# Altium PCB 10515.0462_全联供主板_V1.0.PcbDoc (part 3 of 5)
Units mm, origin at the board's own origin, x right, y up, seen from the top; angles counter-clockwise.
Board outline 141 x 198 mm, 2 copper layers (Top Layer, Bottom Layer); 179 components, 149 nets, 591 pads, 450 vias.
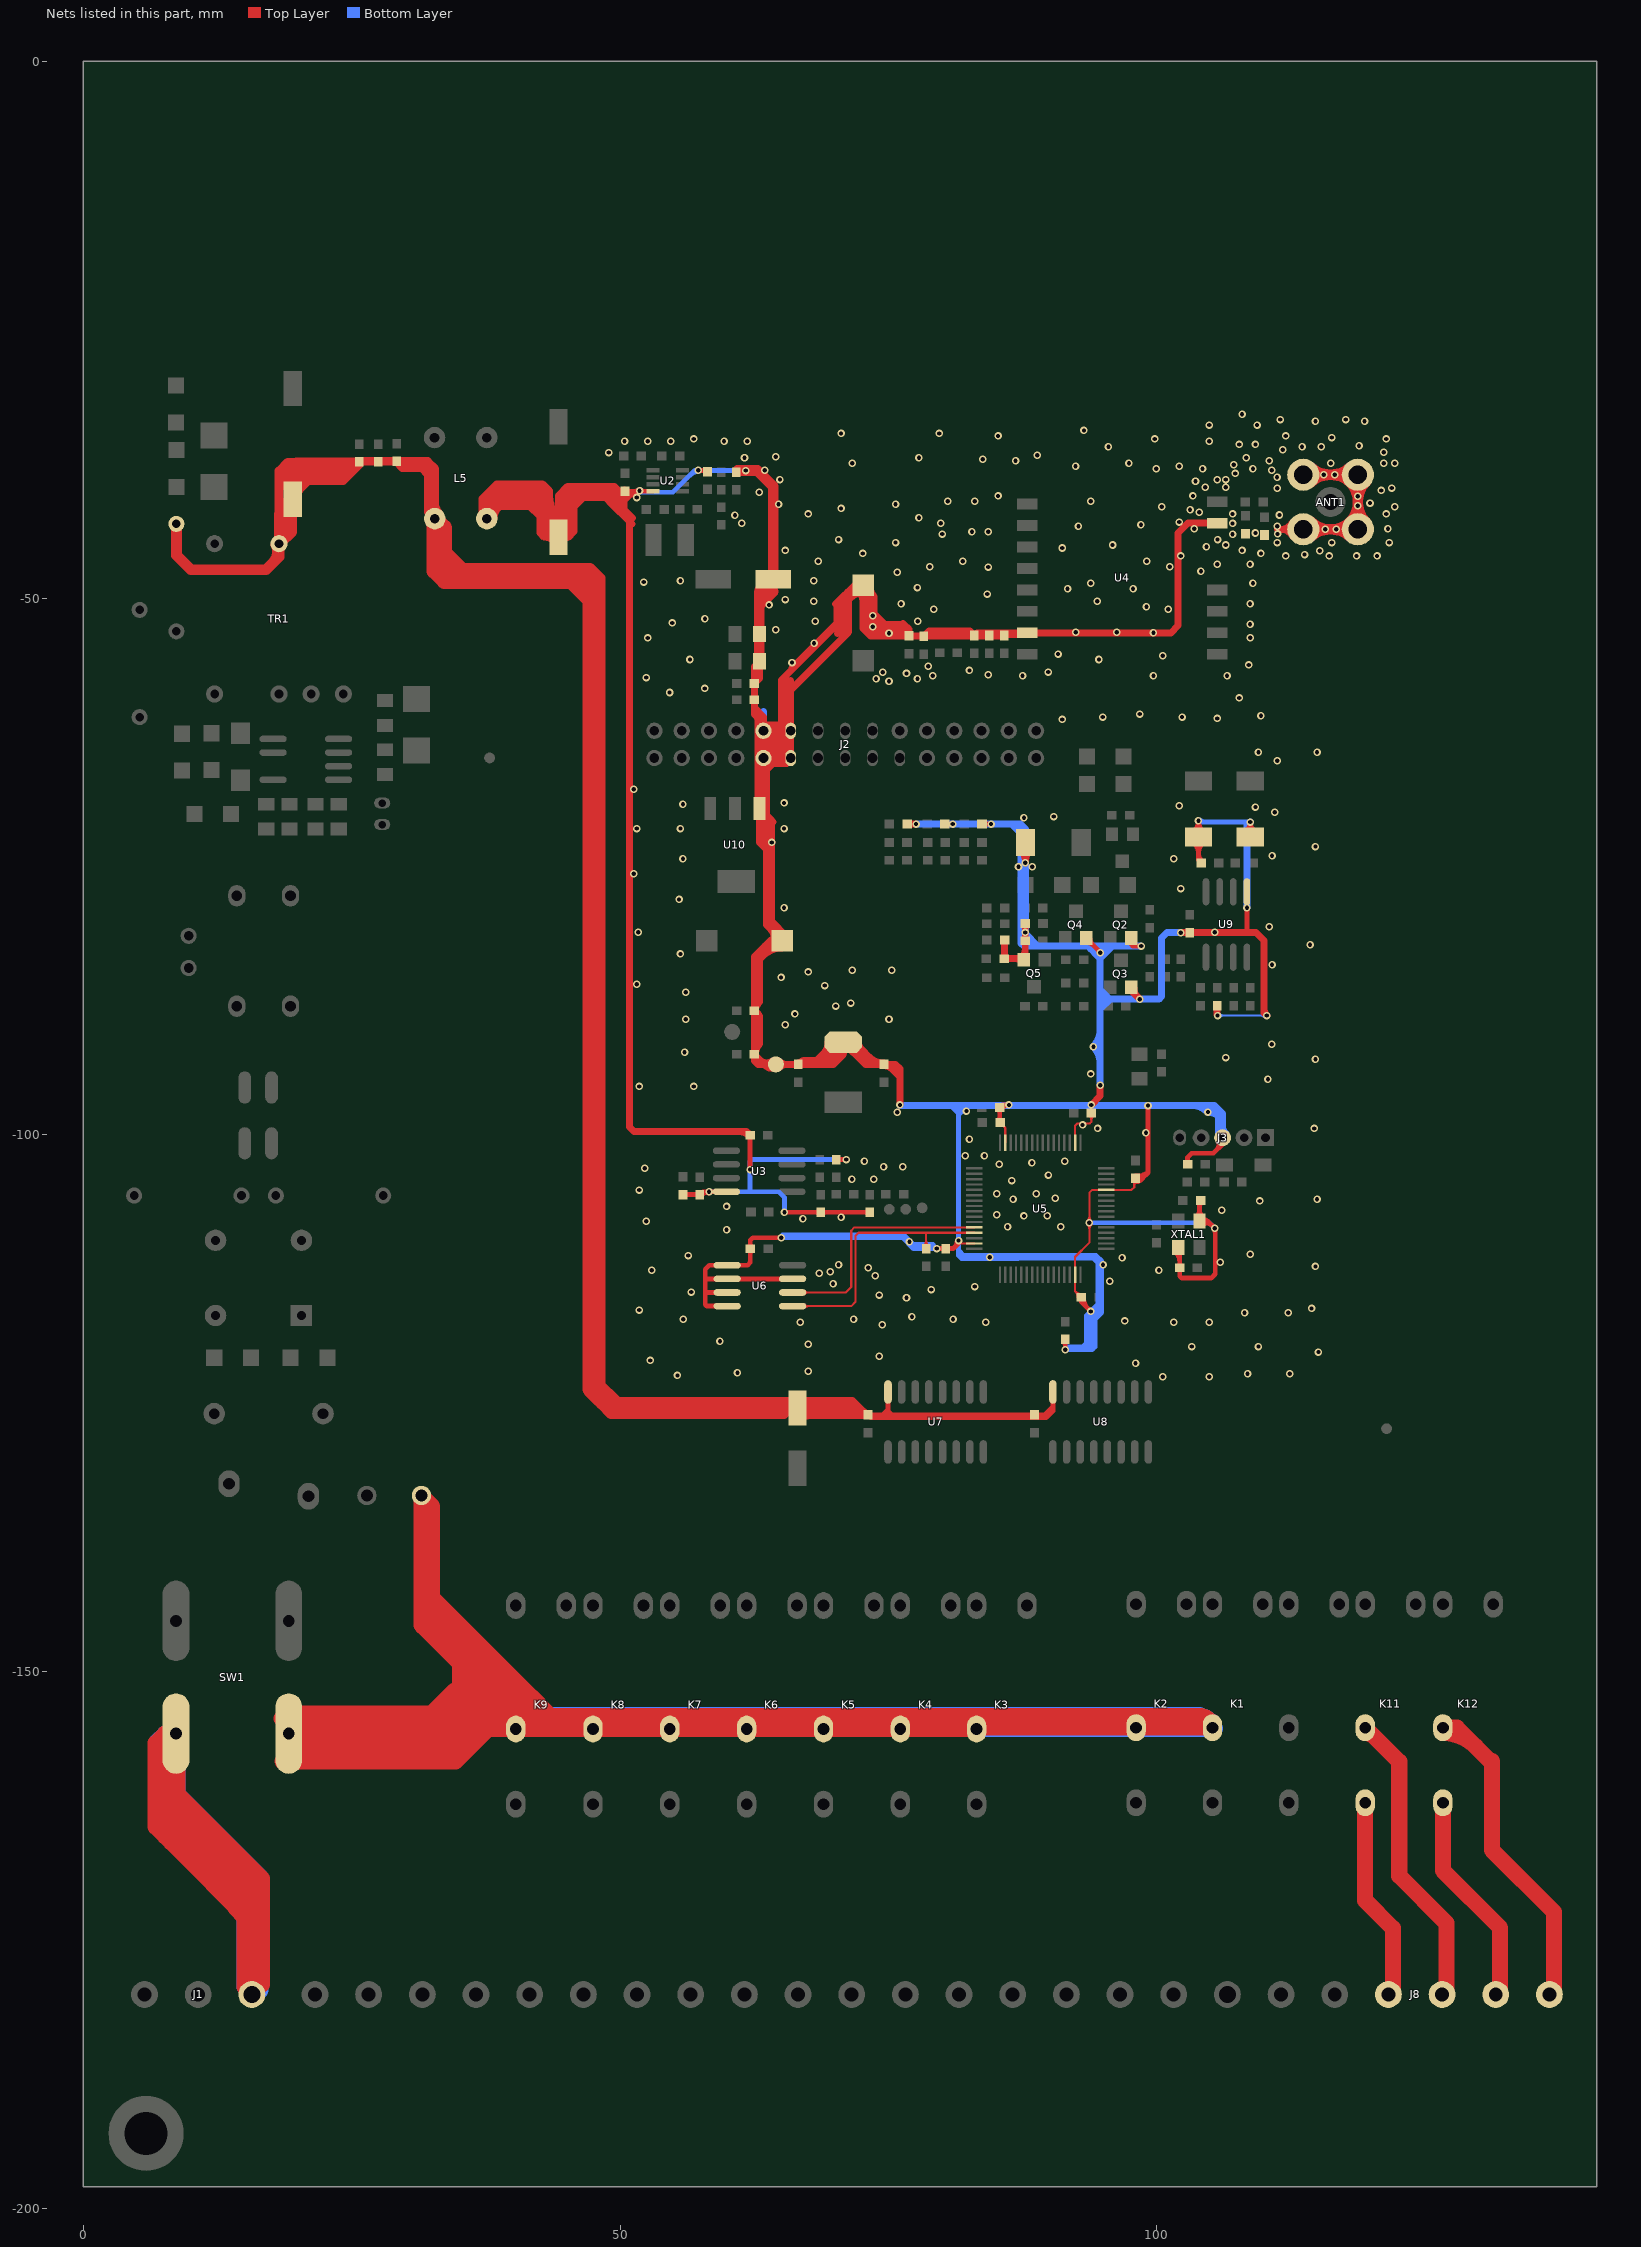
[diagram p3: the nets of this part, all layers, seen from the top]

## Via types
v1: diameter 0.7, hole 0.4, Top Layer to Bottom Layer, tented both sides, 450 vias

## Nets (pads, with @x,y where several pads share a name; then routed paths per layer and width w, separated by ;. In a path a pad name is that pad's centre, name@x,y a point inside that pad or via, vN(x,y) a via of type N, cw(c..) or ccw(c..) an arc to the next point about the centre after c; other vN are vias at no path point) (continued)
GND: ANT1.1 ANT1.2 ANT1.3 ANT1.4 C6.2 C7.1 C8.2 C9.1 C10.1 C11.1 C12.1 C13.2 C14.2 C15.2 C16.2 C17.1 C18.1 C19.1 C20.1 C21.1 C22.1 C23.1 C24.1 C25.2 C26.2 C27.1 C28.1 C29.1 C30.1 C31.1 C32.1 C34.1 C37.1 C40.1 C42.1 C43.1 C44.1 C45.1 C46.1 C48.1 C49.1 D6.1 D9.1 D10.1 EC5.2 EC6.2 EC7.2 EC9.2 EC11.2 GND1.1 J2.9 J2.10 J2.11 J2.12 J3.3 L5.3 Q2.2 Q3.2 Q4.2 Q5.2 R18.2 R20.1 R23.2 R27.1 R29.2 R52.2 R55.1 R60.1 U2.4 U3.4 U4.7 U4.13 U5.12 U5.18 U5.31 U5.47 U5.63 U6.1 U6.2 U6.3 U6.4 U6.7 U9.5 U10.1 XTAL1.2 XTAL1.4 | length 1231.4
  Top Layer w0.2: C10.1@55.864,-105.581 C10.1@55.895,-105.612 ; R23.2@57.438,-105.612 R23.2@57.744,-105.306 ; C8.2@57.898,-37.965 58.033,-38.1 C8.2@58.152,-38.219 ; C30.1@80.253,-71.054 v1@80.883,-71.054 ; C22.1@80.278,-110.603 C22.1@80.348,-110.603 ; C30.1@80.541,-71.231 cw(c80.883,-71.473) v1@80.883,-71.054 ; C30.1@80.541,-70.878 ccw(c80.883,-70.636) v1@80.883,-71.054 ; v1@80.833,-71.231 ccw(c80.406,-71.658) 80.406,-71.054 ccw(c80.406,-70.451) v1@80.833,-70.878 ; v1@81.534,-110.134 U5.47@82.993,-110.134 ; C27.1@85.403,-98.867 85.893,-99.357 U5.31@85.893,-100.734 ; C27.1@85.454,-99.174 cw(c85.476,-99.736) 85.874,-99.338 cw(c86.207,-99.004) C27.1@85.743,-98.921 ; 92.384,-114.562 cw(c91.796,-115.15) C19.1@92.628,-115.15 ; U5.18@92.393,-100.734 92.393,-99.168 92.617,-98.944 93.76,-98.944 93.912,-98.792 C20.1@93.912,-97.978 ; 92.476,-114.654 ccw(c92.934,-114.196) C19.1@92.934,-114.844 ; C19.1@92.972,-115.15 92.393,-114.571 U5.63@92.393,-113.034 92.393,-111.384 93.726,-110.051 v1(93.726,-108.204) 93.726,-105.41 94.002,-105.134 U5.12@95.293,-105.134 97.647,-105.134 97.901,-104.88 97.901,-104.05 C21.1@98.028,-104.05 ; v1@93.549,-108.381 cw(c93.122,-108.808) 93.726,-108.808 cw(c94.33,-108.808) v1@93.903,-108.381 ; v1@93.549,-108.027 ccw(c93.122,-107.6) 93.726,-107.6 ccw(c94.33,-107.6) v1@93.903,-108.027 ; C20.1@93.696,-98.195 cw(c93.173,-98.718) 93.912,-98.718 cw(c94.652,-98.718) C20.1@94.129,-98.195 ; C21.1@97.811,-104.305 cw(c97.595,-104.521) 97.901,-104.521 cw(c98.311,-104.52) C21.1@98.086,-104.177 ; 97.901,-104.89 cw(c98.554,-104.89) C21.1@98.196,-104.344 ; v1@111.038,-43.595 v1@111.252,-43.595 ; ANT1.2@113.538,-43.595 ANT1.2@113.654,-43.595
  Top Layer w0.45: 49.616,-40.894 50.165,-40.894 ; 49.911,-41.148 50.165,-40.894 ; 50.165,-40.944 cw(c51.011,-40.944) C6.2@50.553,-40.232 ; 50.455,-40.894 50.546,-40.894 ; C6.2@50.468,-40.055 U2.4@53.079,-40.055 ; C6.2@50.583,-39.914 ccw(c50.925,-39.572) 50.925,-40.055 ; C6.2@50.6,-39.97 ccw(c51.435,-39.338) v1@51.435,-40.386 ; 51.393,-40.055 ccw(c51.393,-39.582) v1@51.728,-39.917 ; v1@51.701,-39.957 cw(c51.054,-39.684) 51.054,-40.386 ; v1(51.816,-40.005) v1@51.435,-40.386 ; v1@51.904,-39.917 ccw(c52.239,-39.582) 52.239,-40.055 ; C10.1@55.864,-105.581 57.469,-105.581 57.744,-105.306 v1(58.293,-105.306) ; C10.1@55.992,-105.709 cw(c56.302,-106.019) 56.302,-105.581 cw(c56.302,-105.143) C10.1@55.992,-105.453 ; 56.983,-105.581 ccw(c56.983,-105.119) R23.2@57.31,-105.446 ; 57.017,-105.581 cw(c57.017,-105.995) R23.2@57.31,-105.702 ; v1(57.277,-38.1) C8.2@58.033,-38.1 ; R23.2@57.47,-105.58 cw(c57.978,-106.088) v1@58.246,-105.422 ; v1@57.52,-38.1 cw(c57.52,-38.813) C8.2@58.024,-38.309 ; R23.2@57.587,-105.677 cw(c58.293,-106.162) v1(58.293,-105.306) ; 57.95,-114.697 U6.3@59.985,-114.697 ; 58.069,-113.427 U6.2@59.985,-113.427 U6.7@66.081,-113.427 ; U3.4@59.915,-105.306 v1(58.293,-105.306) ; U6.4@59.985,-115.967 58.077,-115.967 57.946,-115.835 57.946,-112.533 58.323,-112.157 U6.1@59.985,-112.157 61.879,-112.157 62.137,-111.898 C23.1@62.137,-110.628 62.137,-109.821 62.357,-109.601 v1(65.024,-109.601) ; C48.1@61.983,-100.166 cw(c61.674,-100.475) 62.111,-100.475 cw(c62.549,-100.475) C48.1@62.24,-100.166 ; C23.1@62.009,-110.757 cw(c61.699,-111.066) 62.137,-111.066 cw(c62.575,-111.066) C23.1@62.265,-110.757 ; C23.1@62.009,-110.5 ccw(c61.699,-110.19) 62.137,-110.19 ccw(c62.575,-110.19) C23.1@62.265,-110.5 ; v1(62.111,-103.243) C48.1@62.111,-100.164 ; v1(65.315,-107.225) C9.1@68.691,-107.225 C49.1@73.263,-107.225 ; C9.1@68.563,-107.353 ccw(c68.253,-107.663) 68.253,-107.225 ccw(c68.253,-106.787) C9.1@68.563,-107.097 ; C9.1@68.819,-107.353 cw(c69.129,-107.663) 69.129,-107.225 cw(c69.129,-106.787) C9.1@68.819,-107.097 ; R20.1@70.138,-102.31 v1(71.068,-102.31) ; R20.1@70.266,-102.438 cw(c70.576,-102.748) 70.576,-102.31 cw(c70.576,-101.872) R20.1@70.266,-102.182 ; EC7.2@72.096,-49.372 cw(c70.773,-50.695) 72.644,-50.695 cw(c74.515,-50.695) EC7.2@73.192,-49.372 ; EC7.2@72.644,-48.824 72.644,-52.832 73.088,-53.276 73.381,-53.569 C12.1@78.282,-53.569 78.358,-53.492 87.675,-53.492 U4.7@87.924,-53.243 ; C49.1@73.135,-107.353 ccw(c72.825,-107.663) 72.825,-107.225 ccw(c72.825,-106.787) C49.1@73.135,-107.097 ; 76.457,-53.569 ccw(c76.457,-53.106) C16.2@76.784,-53.433 ; 76.491,-53.569 cw(c76.491,-53.982) C16.2@76.784,-53.69 ; C16.2@77.04,-53.69 cw(c77.333,-53.982) 77.333,-53.569 ; C16.2@77.04,-53.433 ccw(c77.367,-53.106) 77.367,-53.569 ; C12.1@78.154,-53.697 ccw(c77.844,-54.007) 77.844,-53.569 ccw(c77.844,-53.131) C12.1@78.154,-53.44 ; C12.1@78.41,-53.659 cw(c78.812,-54.06) 78.812,-53.492 ; v1(79.516,-110.603) C22.1@80.278,-110.603 ; C22.1@80.22,-110.731 ccw(c79.91,-111.041) 79.91,-110.603 ccw(c79.91,-110.165) C22.1@80.22,-110.475 ; C22.1@80.348,-110.603 81.04,-110.603 v1@81.509,-110.134 ; C22.1@80.476,-110.731 cw(c80.786,-111.041) 80.786,-110.603 cw(c80.786,-110.165) C22.1@80.476,-110.475 ; 81.167,-110.476 ccw(c80.581,-109.89) v1@81.409,-109.86 ; C15.2@82.88,-53.621 ccw(c82.57,-53.93) 82.57,-53.492 ccw(c82.57,-53.054) C15.2@82.88,-53.364 ; C15.2@83.136,-53.621 cw(c83.446,-53.93) 83.446,-53.492 cw(c83.446,-53.054) C15.2@83.136,-53.364 ; C32.1@83.722,-71.054 v1(84.566,-71.054) ; C32.1@83.889,-71.183 cw(c84.198,-71.492) 84.198,-71.054 cw(c84.198,-70.616) C32.1@83.889,-70.926 ; C14.2@84.277,-53.621 ccw(c83.967,-53.93) 83.967,-53.492 ccw(c83.967,-53.054) C14.2@84.277,-53.364 ; C14.2@84.533,-53.621 cw(c84.843,-53.93) 84.843,-53.492 cw(c84.843,-53.054) C14.2@84.533,-53.364 ; C27.1@85.237,-98.739 ccw(c84.917,-98.419) 85.369,-98.419 ; C45.1@85.241,-97.587 cw(c84.931,-97.897) 85.369,-97.897 cw(c85.807,-97.897) C45.1@85.498,-97.587 ; C27.1@85.369,-98.834 C45.1@85.369,-97.459 85.606,-97.223 v1(86.233,-97.223) ccw(c86.233,-98.066) C45.1@85.554,-97.566 ; 85.369,-98.44 ccw(c85.793,-98.44) C27.1@85.493,-98.739 ; C13.2@85.674,-53.621 ccw(c85.364,-53.93) 85.364,-53.492 ccw(c85.364,-53.054) C13.2@85.674,-53.364 ; C13.2@85.93,-53.621 cw(c86.24,-53.93) 86.24,-53.492 cw(c86.24,-53.054) C13.2@85.93,-53.364 ; C13.2@86.208,-53.492 ccw(c86.208,-51.977) U4.7@87.28,-53.049 ; Q5.2@87.514,-83.704 Q5.2@87.619,-83.704 Q5.2@87.752,-83.572 ; R29.2@91.346,-119.24 cw(c91.036,-119.55) 91.474,-119.55 cw(c91.912,-119.55) R29.2@91.602,-119.24 ; v1(91.474,-120.026) R29.2@91.474,-119.074 ; C19.1@92.846,-115.281 cw(c92.558,-115.578) 92.972,-115.578 ; 92.972,-115.58 cw(c93.322,-115.58) C19.1@93.117,-115.297 ; C19.1@92.972,-115.15 92.972,-115.578 ; C19.1@93.099,-115.281 ccw(c93.387,-115.578) 92.972,-115.578 ; C19.1@93.192,-115.155 ccw(c94.654,-115.192) v1@93.62,-116.226 ; Q4.2@93.424,-82.082 cw(c93.424,-83.072) 94.124,-82.372 ; Q4.2@93.424,-81.672 v1@94.615,-82.864 ; Q4.2@93.77,-81.736 ccw(c94.454,-81.736) Q4.2@93.971,-82.219 ; v1(93.853,-116.459) 92.972,-115.578 ; 94.467,-82.715 cw(c94.138,-83.044) v1@94.603,-83.044 ; Q2.2@97.615,-81.672 97.615,-82.248 97.79,-82.423 v1(98.552,-82.423) ; XTAL1.2@101.743,-110.888 cw(c100.778,-111.853) 102.143,-111.853 ; XTAL1.2@101.991,-110.515 102.143,-110.668 C25.2@102.143,-112.383 102.143,-113.17 102.329,-113.356 105.063,-113.356 105.444,-112.975 105.444,-108.746 v1(105.41,-108.712) 104.713,-108.015 ; C25.2@102.015,-112.511 cw(c101.705,-112.821) 102.143,-112.821 cw(c102.581,-112.821) C25.2@102.272,-112.511 ; C25.2@102.015,-112.255 ccw(c101.705,-111.945) 102.143,-111.945 ccw(c102.581,-111.945) C25.2@102.272,-112.255 ; C24.1@102.743,-102.633 ccw(c102.434,-102.323) 102.871,-102.323 ccw(c103.309,-102.323) C24.1@103,-102.633 ; C24.1@102.871,-102.761 102.871,-102.107 103.251,-101.727 105.283,-101.727 106.136,-100.874 J3.3@106.136,-100.398 ; D9.1@103.416,-72.726 cw(c102.283,-73.859) 103.886,-73.859 cw(c105.489,-73.859) D9.1@104.356,-72.726 ; D9.1@103.436,-71.768 ccw(c102.485,-70.739) v1(103.886,-70.739) ccw(c105.287,-70.739) D9.1@104.336,-71.768 ; XTAL1.4@103.743,-107.643 ccw(c103.146,-107.045) 103.991,-107.045 ccw(c104.836,-107.045) XTAL1.4@104.238,-107.643 ; R55.1@103.886,-74.424 D9.1@103.886,-72.256 v1(103.886,-70.739) ; 103.886,-73.716 ccw(c105.067,-73.716) R55.1@104.232,-74.551 ; XTAL1.4@103.926,-108.064 cw(c104.343,-108.548) 104.794,-108.096 ; XTAL1.4@103.981,-108.041 cw(c104.125,-109.499) 105.161,-108.463 ; 103.991,-106.715 cw(c104.642,-106.715) C26.2@104.182,-106.255 ; C26.2@104.091,-106.126 103.991,-106.227 XTAL1.4@103.991,-108.015 104.713,-108.015 ; XTAL1.4@104.22,-108.405 cw(c104.66,-108.916) 105.137,-108.439 ; XTAL1.4@104.266,-108.232 cw(c104.713,-108.585) 104.713,-108.015 ; XTAL1.4@104.266,-107.798 ccw(c104.713,-107.445) 104.713,-108.015 ; v1@105.322,-108.8 cw(c105.026,-109.096) 105.444,-109.096 ; 105.584,-101.426 ccw(c105.112,-100.954) J3.3@105.668,-100.583 ; D10.1@108.295,-71.739 ccw(c107.589,-70.866) v1(108.712,-70.866) ccw(c109.835,-70.866) D10.1@109.129,-71.739 ; 108.4,-81.17 v1(108.4,-78.867) ; D10.1@108.712,-72.256 v1(108.712,-70.866) ; ANT1.2@112.597,-44.309 ccw(c111.252,-45.219) v1@111.252,-43.595 ; ANT1.2@112.597,-42.881 cw(c111.252,-41.971) v1@111.252,-43.595 ; ANT1.2@112.97,-44.057 ccw(c112.1,-44.646) 112.1,-43.595 ccw(c112.1,-42.544) ANT1.2@112.97,-43.133 ; ANT1.2@113.538,-43.595 v1@111.252,-43.595 ; 50.165,-40.894 50.165,-40.332 50.219,-40.386 51.054,-40.386 ; 50.165,-40.894 50.546,-40.894 ; 50.546,-40.894 51.054,-40.386 ; 51.054,-40.386 cw(c51.054,-39.956) 50.633,-40.043 ccw(c51.054,-39.956) 51.054,-40.386 ; 51.054,-40.386 v1@51.435,-40.386
  Top Layer w0.5: C21.1@97.966,-104.35 ccw(c98.077,-103.743) 98.513,-104.179 ; C21.1@98.028,-104.05 98.642,-104.05 99.187,-103.505 v1(99.187,-97.282) ; C21.1@98.056,-103.858 ccw(c98.285,-102.603) 99.187,-103.505
  Top Layer w0.65: L5.3@37.125,-42.114 ccw(c36.078,-41.021) 37.592,-41.021 ccw(c39.106,-41.021) L5.3@38.059,-42.114 ; L5.3@37.617,-42.599 cw(c39.135,-42.405) 38.053,-41.322 ; L5.3@37.618,-41.928 ccw(c37.68,-40.347) 38.798,-41.466 ; L5.3@37.902,-42.002 cw(c38.562,-40.726) 37.125,-40.726 ; L5.3@38.262,-42.516 cw(c40.795,-42.192) 38.989,-40.386 ; L5.3@38.267,-42.602 cw(c39.728,-42.602) 38.695,-41.569 ; 41.91,-40.894 42.926,-41.91 42.926,-43.561 43.701,-44.336 EC5.2@44.276,-44.336 ; 43.053,-41.656 42.291,-40.894 39.37,-40.894 38.798,-41.465 ; EC5.2@43.434,-43.374 ccw(c44.438,-43.374) EC5.2@43.728,-44.084 ; 43.434,-41.805 ccw(c46.007,-41.805) EC5.2@44.188,-43.624 ; 43.434,-41.402 42.418,-40.386 38.989,-40.386 37.592,-41.783 L5.3@37.592,-42.602 ; 43.434,-40.64 42.672,-39.878 38.735,-39.878 37.592,-41.021 L5.3@37.592,-42.602 ; 43.434,-40.236 ccw(c47.576,-40.236) 44.647,-43.165 cw(c45.543,-42.269) 44.276,-42.269 cw(c43.009,-42.269) EC5.2@43.905,-43.165 ; EC5.2@43.905,-44.707 ccw(c43.009,-45.603) 43.009,-44.336 ccw(c43.009,-43.069) EC5.2@43.905,-43.965 ; EC5.2@43.942,-44.336 42.939,-44.336 42.545,-43.942 42.545,-42.418 41.592,-41.465 38.798,-41.465 ; EC5.2@43.946,-43.128 ccw(c42.449,-41.275) 44.831,-41.275 ; EC5.2@44.086,-43.047 ccw(c43.448,-41.402) 45.212,-41.402 ; EC5.2@44.199,-43.635 ccw(c44.665,-43.038) 45.2,-43.573 ; EC5.2@44.321,-43.653 ccw(c43.816,-42.351) 45.212,-42.351 ; EC5.2@44.355,-43.633 ccw(c43.549,-42.636) 44.831,-42.636 ; EC5.2@44.556,-44.259 ccw(c44.185,-43.301) 45.212,-43.301 ; EC5.2@44.599,-43.122 ccw(c45.12,-42.453) 45.72,-43.053 ; EC5.2@44.727,-44.604 cw(c45.199,-44.885) 45.199,-44.336 ; EC5.2@44.727,-44.068 ccw(c45.199,-43.787) 45.199,-44.336 ; 45.974,-40.64 45.212,-41.402 45.212,-43.688 44.564,-44.336 EC5.2@44.276,-44.336 ; 46.609,-40.64 45.72,-41.529 45.72,-43.053 ; 48.906,-40.64 ccw(c48.906,-38.531) C6.2@50.397,-40.022 ; 49.53,-41.529 49.276,-41.275 ; 49.53,-40.98 C6.2@50.455,-40.055 ; 49.777,-39.922 ccw(c50.1,-39.599) C6.2@50.401,-39.942 ; 49.911,-40.055 49.48,-39.624 45.085,-39.624 44.276,-40.433 44.276,-41.656 ; 50.374,-41.783 50.374,-41.144 49.87,-40.64 ; C6.2@50.455,-40.042 C6.2@50.455,-40.055 ; C6.2@50.468,-40.055 C6.2@50.455,-40.055 ; 51.105,-43.104 50.863,-42.862 ; 51.146,-42.555 49.657,-41.066 49.657,-40.64 ; 61.05,-99.695 cw(c61.05,-101.061) C48.1@62.016,-100.095 ; C48.1@61.992,-100.039 ccw(c61.642,-100.045) 61.642,-99.695 ; C48.1@62.111,-100.164 61.642,-99.695 ; C46.1@62.49,-88.5 cw(c61.278,-89.712) 62.992,-89.712 ; C7.1@62.49,-57.904 ccw(c61.302,-56.717) 62.982,-56.717 ; 62.509,-60.223 63.362,-61.076 J2.10@63.362,-62.368 ; C7.1@62.509,-57.857 cw(c64.787,-57.857) 63.176,-56.246 ccw(c63.646,-56.716) 62.982,-56.716 ; C46.1@62.53,-88.521 cw(c62.401,-89.098) 62.992,-89.098 ; C31.1@62.629,-92.502 cw(c63.872,-92.447) 62.992,-91.567 ; C46.1@62.629,-88.442 cw(c63.713,-88.442) 62.946,-87.676 ; C42.1@62.788,-56.246 cw(c62.318,-56.716) 62.982,-56.716 ; U10.1@62.838,-70.278 cw(c60.932,-72.183) 63.627,-72.183 ; U10.1@62.838,-68.909 ccw(c60.932,-67.004) 63.627,-67.004 ; U10.1@62.865,-69.083 62.865,-64.135 ; 62.865,-68.207 ccw(c63.858,-68.207) U10.1@63.156,-68.909 ; 62.865,-67.163 cw(c65.616,-67.163) J2.9@63.671,-65.217 ; 62.865,-65.594 cw(c64.047,-65.594) J2.9@63.211,-64.758 ; 62.865,-64.223 ccw(c64.047,-64.223) J2.9@63.211,-65.059 ; 62.865,-64.203 cw(c64.698,-64.203) J2.10@63.619,-62.722 ; J2.10@62.865,-62.654 ccw(c65.616,-62.654) J2.9@63.671,-64.599 ; U10.1@62.997,-70.344 cw(c62.997,-72.137) 64.265,-70.869 ; 62.997,-66.845 cw(c65.299,-66.845) J2.9@63.671,-65.217 ; J2.9@62.997,-65.274 U10.1@62.997,-69.594 62.997,-72.776 63.627,-73.406 ; 63.042,-93.039 ccw(c63.689,-92.392) GND1.1@64.254,-93.112 ; J2.9@63.053,-65.217 cw(c61.667,-66.603) 63.627,-66.603 ; J2.9@63.053,-64.599 ccw(c62.307,-63.853) 63.362,-63.853 ccw(c64.417,-63.853) J2.9@63.671,-64.599 ; J2.10@63.053,-62.677 cw(c62.307,-63.423) 63.362,-63.423 cw(c64.417,-63.423) 63.671,-62.677 cw(c64.417,-63.423) 64.417,-62.368 cw(c64.417,-61.313) J2.10@63.671,-62.059 ; J2.10@63.053,-62.059 ccw(c62.307,-61.313) 63.362,-61.313 ccw(c64.417,-61.313) J2.10@63.671,-62.059 ; U10.1@63.081,-70.327 cw(c63.361,-71.015) 63.886,-70.49 ; J2.10@63.183,-62.484 ccw(c64.582,-61.581) 64.582,-63.246 ; J2.9@63.191,-64.781 cw(c64.479,-65.742) 64.479,-64.135 ; 63.197,-82.726 cw(c65.095,-84.625) EC11.2@65.095,-81.94 ; J2.9@63.207,-65.055 ccw(c64.021,-64.284) 64.021,-65.405 ; U10.1@63.297,-69.818 cw(c62.501,-70.614) 63.627,-70.614 ; U10.1@63.297,-69.369 ccw(c62.501,-68.573) 63.627,-68.573 ; 63.388,-83.297 cw(c65.095,-85.004) EC11.2@65.095,-82.59 ; 63.45,-93.447 C31.1@62.509,-92.506 ; J2.10@63.453,-61.941 cw(c63.608,-61.214) 62.865,-61.214 ; 63.465,-82.458 cw(c64.076,-83.07) EC11.2@64.649,-82.421 ; J2.10@63.5,-61.849 65.024,-61.849 ; 63.561,-93.558 ccw(c64.145,-92.974) GND1.1@64.655,-93.624 ; 63.627,-73.584 cw(c64.489,-73.584) v1@64.145,-72.794 ; 63.627,-71.484 ccw(c65.422,-71.484) v1@64.153,-72.753 ; 63.627,-70.231 64.135,-70.739 64.135,-80.137 65.095,-81.097 EC11.2@65.095,-81.915 ; 63.627,-66.04 64.262,-65.405 J2.11@65.532,-65.405 ; J2.9@63.627,-65.174 63.627,-73.406 ; J2.9@63.679,-64.608 ccw(c65.532,-62.853) J2.11@65.532,-65.405 ; J2.9@63.712,-65.17 cw(c65.775,-66.708) 65.775,-64.135 62.865,-64.135 ; J2.10@63.729,-62.131 ccw(c65.775,-60.811) 65.775,-63.246 63.362,-63.246 ; J2.10@63.74,-62.588 cw(c65.024,-63.334) 65.024,-61.849 ; 63.954,-81.969 cw(c64.535,-82.55) EC11.2@65.078,-81.934 ; EC11.2@64.173,-82.512 ccw(c63.575,-81.915) 64.42,-81.915 ccw(c62.79,-81.915) 63.943,-80.763 ccw(c65.095,-79.61) EC11.2@65.095,-81.24 ; GND1.1@64.215,-93.747 ccw(c63.49,-94.473) 63.49,-93.447 ccw(c63.49,-92.421) GND1.1@64.215,-93.146 ; EC11.2@64.49,-82.214 ccw(c64.008,-82.453) 64.008,-81.915 ; EC11.2@64.49,-81.616 cw(c64.008,-81.377) 64.008,-81.915 ; 64.648,-80.65 cw(c63.594,-81.704) EC11.2@65.07,-81.912 ; EC11.2@64.77,-81.915 62.992,-83.693 62.992,-87.63 62.509,-88.113 C46.1@62.509,-88.442 62.992,-88.925 62.992,-91.567 62.509,-92.05 C31.1@62.509,-92.506 ; GND1.1@64.817,-93.747 cw(c65.542,-94.473) 65.542,-93.447 cw(c65.542,-92.421) GND1.1@64.817,-93.146 ; 64.913,-65.405 ccw(c64.913,-64.182) J2.11@65.778,-65.047 ; 65.024,-62.241 65.024,-61.849 ; 65.165,-64.516 cw(c65.165,-65.383) J2.11@65.778,-64.77 ; 65.22,-62.738 ccw(c65.22,-61.948) J2.12@65.778,-62.507 ; 65.309,-62.738 cw(c65.309,-60.421) J2.10@63.671,-62.059 ; 65.364,-64.516 ccw(c65.364,-66.91) J2.9@63.671,-65.217 ; J2.12@65.405,-62.241 65.405,-57.277 ; 65.405,-60.484 ccw(c67.524,-60.484) J2.12@66.026,-61.983 ; J2.11@65.902,-64.516 63.754,-64.516 J2.9@63.362,-64.908 ; 65.902,-63.754 63.362,-63.754 ; J2.12@65.902,-62.738 63.731,-62.738 J2.10@63.362,-62.368 ; 65.902,-58.558 71.275,-53.185 71.275,-52.296 ; 65.902,-57.669 J2.12@65.902,-62.368 ; 66.02,-56.515 70.857,-51.678 ; C29.1@66.599,-93.327 ccw(c66.613,-92.521) 67.183,-93.091 ; C29.1@66.656,-93.466 cw(c67.561,-94.372) 67.561,-93.091 ; C29.1@66.674,-93.438 cw(c67.183,-93.638) 67.183,-93.091 ; 68.878,-92.539 cw(c70.045,-93.705) EC9.2@70.045,-92.056 ; 68.898,-92.519 ccw(c67.76,-91.381) EC9.2@69.37,-91.381 ; 69.459,-92.716 ccw(c68.97,-92.226) EC9.2@69.514,-91.798 ; EC9.2@70.036,-91.381 68.326,-93.091 68.199,-93.091 ; 70.095,-50.555 cw(c72.644,-53.103) 72.644,-49.499 ccw(c72.644,-51.129) 71.492,-49.976 ccw(c70.339,-48.824) EC7.2@71.969,-48.824 ; 70.249,-53.322 71.275,-52.296 ; EC9.2@70.467,-92.22 69.596,-93.091 68.58,-93.091 ; EC9.2@70.467,-91.971 cw(c70.159,-92.527) 70.795,-92.527 ; 70.739,-52.832 70.739,-50.729 71.275,-50.193 ; EC9.2@71.122,-91.971 ccw(c71.431,-92.527) 70.795,-92.527 ; 71.205,-49.445 cw(c72.644,-50.884) EC7.2@72.644,-48.849 ; EC9.2@71.568,-91.389 ccw(c72.423,-91.715) EC9.2@71.776,-92.362 ; EC9.2@72.176,-91.621 ccw(c73.451,-92.107) 72.486,-93.072 ; 72.304,-92.37 ccw(c71.545,-93.129) 71.545,-92.056 cw(c71.545,-94.356) 73.171,-92.729 ; EC7.2@72.329,-49.421 cw(c71.169,-51.626) v1@73.66,-51.626 ; 72.501,-92.059 cw(c73.179,-91.381) 72.22,-91.381 ccw(c74.405,-91.381) 72.86,-92.926 ; EC7.2@72.626,-48.842 cw(c71.664,-49.804) EC7.2@73.025,-49.804 ; EC7.2@72.632,-48.846 cw(c71.736,-50.549) 73.66,-50.549 ; EC7.2@72.707,-49.496 cw(c72.817,-50.683) 73.66,-49.84 ; 73.025,-51.373 ccw(c70.095,-51.373) 72.167,-49.301 cw(c71.014,-50.454) 72.644,-50.454 cw(c74.274,-50.454) EC7.2@73.121,-49.301 ; EC7.2@73.025,-49.205 73.025,-52.324 73.533,-52.832 76.221,-52.832 C16.2@76.912,-53.523 76.912,-52.909 76.454,-52.451 73.914,-52.451 73.66,-52.197 v1@73.66,-51.435 ; 73.088,-53.276 C16.2@76.665,-53.276 ; 73.182,-92.74 ccw(c74.599,-91.324) C40.1@74.599,-93.327 ; 73.279,-93.447 73.279,-93.345 71.315,-91.381 EC9.2@70.795,-91.381 ; EC7.2@73.316,-48.887 ccw(c74.503,-48.997) 73.66,-49.84 ; 73.889,-93.447 71.823,-91.381 EC9.2@70.795,-91.381 ; C40.1@74.599,-93.566 cw(c74.599,-94.592) 75.325,-93.867 ; 74.676,-52.451 v1@73.66,-51.435 ; v1(76.073,-97.223) 76.073,-93.853 75.667,-93.447 C40.1@74.599,-93.447 ; 76.073,-94.615 74.905,-93.447 C40.1@74.599,-93.447 ; 76.212,-53.276 cw(c76.212,-54.186) C16.2@76.854,-53.543 ; 76.366,-52.363 cw(c75.243,-53.485) C16.2@76.831,-53.485 ; C28.1@76.737,-71.054 v1(77.581,-71.054) ; C12.1@78.282,-53.569 78.765,-53.086 82.602,-53.086 C15.2@83.008,-53.492 ; C12.1@78.34,-53.588 cw(c79.552,-54.8) 79.552,-53.086 ; 81.922,-53.086 cw(c81.922,-54.54) C15.2@82.95,-53.512 ; C15.2@83.066,-53.512 cw(c83.715,-54.161) 83.715,-53.243 ; C15.2@83.257,-53.243 86.487,-53.243 ; 83.698,-53.243 cw(c83.698,-54.161) C14.2@84.347,-53.512 ; C14.2@84.463,-53.512 cw(c85.112,-54.161) 85.112,-53.243 ; 85.095,-53.243 cw(c85.095,-54.161) C13.2@85.744,-53.512 ; C11.1@85.775,-83.6 Q5.2@87.514,-83.6 ; C11.1@85.822,-83.552 R27.1@85.822,-81.856 ; C13.2@85.86,-53.512 cw(c86.509,-54.161) 86.509,-53.243 ; 86.924,-83.6 cw(c86.924,-84.335) Q5.2@87.445,-83.815 ; D6.1@87.365,-73.551 cw(c86.402,-74.514) 87.764,-74.514 cw(c89.126,-74.514) D6.1@88.163,-73.551 ; Q5.2@87.445,-83.467 ccw(c86.703,-82.725) 87.752,-82.725 ; Q5.2@87.752,-83.572 v1(87.752,-81.153) R52.2@87.752,-80.315 ; v1(87.764,-74.669) D6.1@87.764,-72.771 ; v1(93.912,-97.223) 94.728,-96.407 v1(94.728,-95.377) ; Q3.2@97.615,-86.244 97.615,-86.566 v1(98.425,-87.376) ; Q3.2@97.861,-86.308 ccw(c99.079,-86.308) v1@98.218,-87.169 ; v1(102.235,-81.17) C37.1@103.074,-81.17 108.4,-81.17 109.237,-81.17 109.982,-81.915 109.982,-88.646 v1(110.236,-88.9) ; U4.13@105.624,-43.023 102.9,-43.023 101.981,-43.942 101.981,-52.578 101.316,-53.243 U4.7@87.924,-53.243 86.487,-53.243 ; v1@105.627,-88.863 R60.1@105.627,-87.977 ; 109.982,-88.226 ccw(c110.91,-88.226) v1@110.254,-88.882 ; v1@111.252,-43.595 ANT1.2@113.654,-43.595 ; 37.125,-40.726 38.481,-39.37 42.799,-39.37 43.434,-40.005 43.434,-43.494 EC5.2@44.276,-44.336 ; 37.125,-40.726 37.125,-42.135 L5.3@37.592,-42.602 ; L5.3@37.592,-42.602 37.662,-42.602 38.798,-41.465 ; EC5.2@44.276,-44.336 44.276,-41.656 ; EC5.2@44.276,-44.336 44.276,-43.354 44.831,-42.799 44.831,-41.275 45.466,-40.64 48.641,-40.64 ; EC5.2@44.276,-44.336 44.437,-44.336 45.72,-43.053 ; EC5.2@44.276,-44.336 45.199,-44.336 ; 44.276,-41.656 44.276,-41.068 45.289,-40.055 C6.2@50.455,-40.055 ; 45.199,-44.336 45.72,-43.815 45.72,-43.053 ; 48.641,-40.64 49.657,-40.64 ; 48.641,-40.64 49.276,-41.275 ; 49.276,-41.275 50.863,-42.862 ; 49.657,-40.64 49.87,-40.64 ; 49.87,-40.64 C6.2@50.455,-40.055 ; 50.863,-42.862 50.863,-99.27 51.288,-99.695 61.642,-99.695 ; C31.1@62.509,-92.506 62.509,-93.116 62.84,-93.447 C29.1@66.598,-93.447 ; C31.1@62.509,-92.506 62.509,-83.414 64.008,-81.915 ; C7.1@62.509,-57.962 62.509,-56.363 C42.1@62.982,-55.89 62.982,-57.489 C7.1@62.509,-57.962 ; C7.1@62.509,-57.962 62.509,-60.858 62.865,-61.214 ; 62.865,-64.135 62.865,-61.214 ; 62.865,-61.214 63.362,-61.711 J2.10@63.362,-62.368 ; J2.10@63.099,-62.717 cw(c62.699,-63.246) 63.362,-63.246 ; J2.10@63.099,-62.717 cw(c62.699,-63.246) 63.362,-63.246 ; J2.10@63.099,-62.717 cw(c62.699,-63.246) 63.362,-63.246 ; J2.9@63.362,-64.908 63.362,-63.754 ; J2.9@63.362,-64.908 J2.11@65.902,-64.908 ; 63.362,-63.754 63.362,-63.246 ; 63.362,-63.246 cw(c64.024,-63.246) J2.10@63.625,-62.717 ; 63.362,-63.246 cw(c64.024,-63.246) J2.10@63.625,-62.717 ; 63.362,-63.246 cw(c64.024,-63.246) J2.10@63.625,-62.717 ; 63.362,-63.246 J2.10@63.362,-62.368 ; J2.10@63.362,-62.368 J2.12@65.902,-62.368 ; 63.627,-73.406 63.627,-77.343 63.627,-80.447 EC11.2@65.095,-81.915 ; J2.9@63.671,-65.217 cw(c64.417,-65.963) 64.417,-64.908 cw(c64.417,-63.853) J2.9@63.671,-64.599 ; 64.008,-81.915 EC11.2@65.095,-81.915 ; 65.024,-61.849 65.024,-57.658 65.405,-57.277 ; 65.405,-57.277 70.231,-52.451 70.231,-50.419 71.826,-48.824 EC7.2@72.644,-48.824 ; J2.11@65.532,-65.405 65.902,-65.035 J2.11@65.902,-64.908 ; J2.11@65.902,-64.908 J2.12@65.902,-62.368 ; C29.1@66.598,-93.447 66.827,-93.447 67.183,-93.091 ; C29.1@66.598,-93.447 69.875,-93.447 70.795,-92.527 ; 67.183,-93.091 68.199,-93.091 ; 68.199,-93.091 68.58,-93.091 ; 68.58,-93.091 69.084,-93.091 ; 68.58,-93.091 69.084,-93.091 ; 69.084,-93.091 EC9.2@70.795,-91.381 ; 70.795,-92.527 EC9.2@70.795,-91.381 ; EC9.2@70.795,-91.381 72.861,-93.447 C40.1@74.599,-93.447 ; 71.275,-52.296 71.275,-50.193 ; 71.275,-50.193 EC7.2@72.644,-48.824 ; EC7.2@72.644,-48.824 73.66,-49.84 ; EC7.2@72.644,-48.824 72.644,-52.832 73.335,-53.523 85.771,-53.523 86.051,-53.243 86.487,-53.243 ; v1@73.66,-51.435 73.66,-49.84 ; C13.2@85.861,-53.511 cw(c86.487,-54.109) 86.487,-53.243 ; C13.2@85.861,-53.511 cw(c86.487,-54.109) 86.487,-53.243 ; C13.2@85.861,-53.511 cw(c86.487,-54.109) 86.487,-53.243